# KiCad board RadCheck-SDRAM.kicad_pcb (continued)
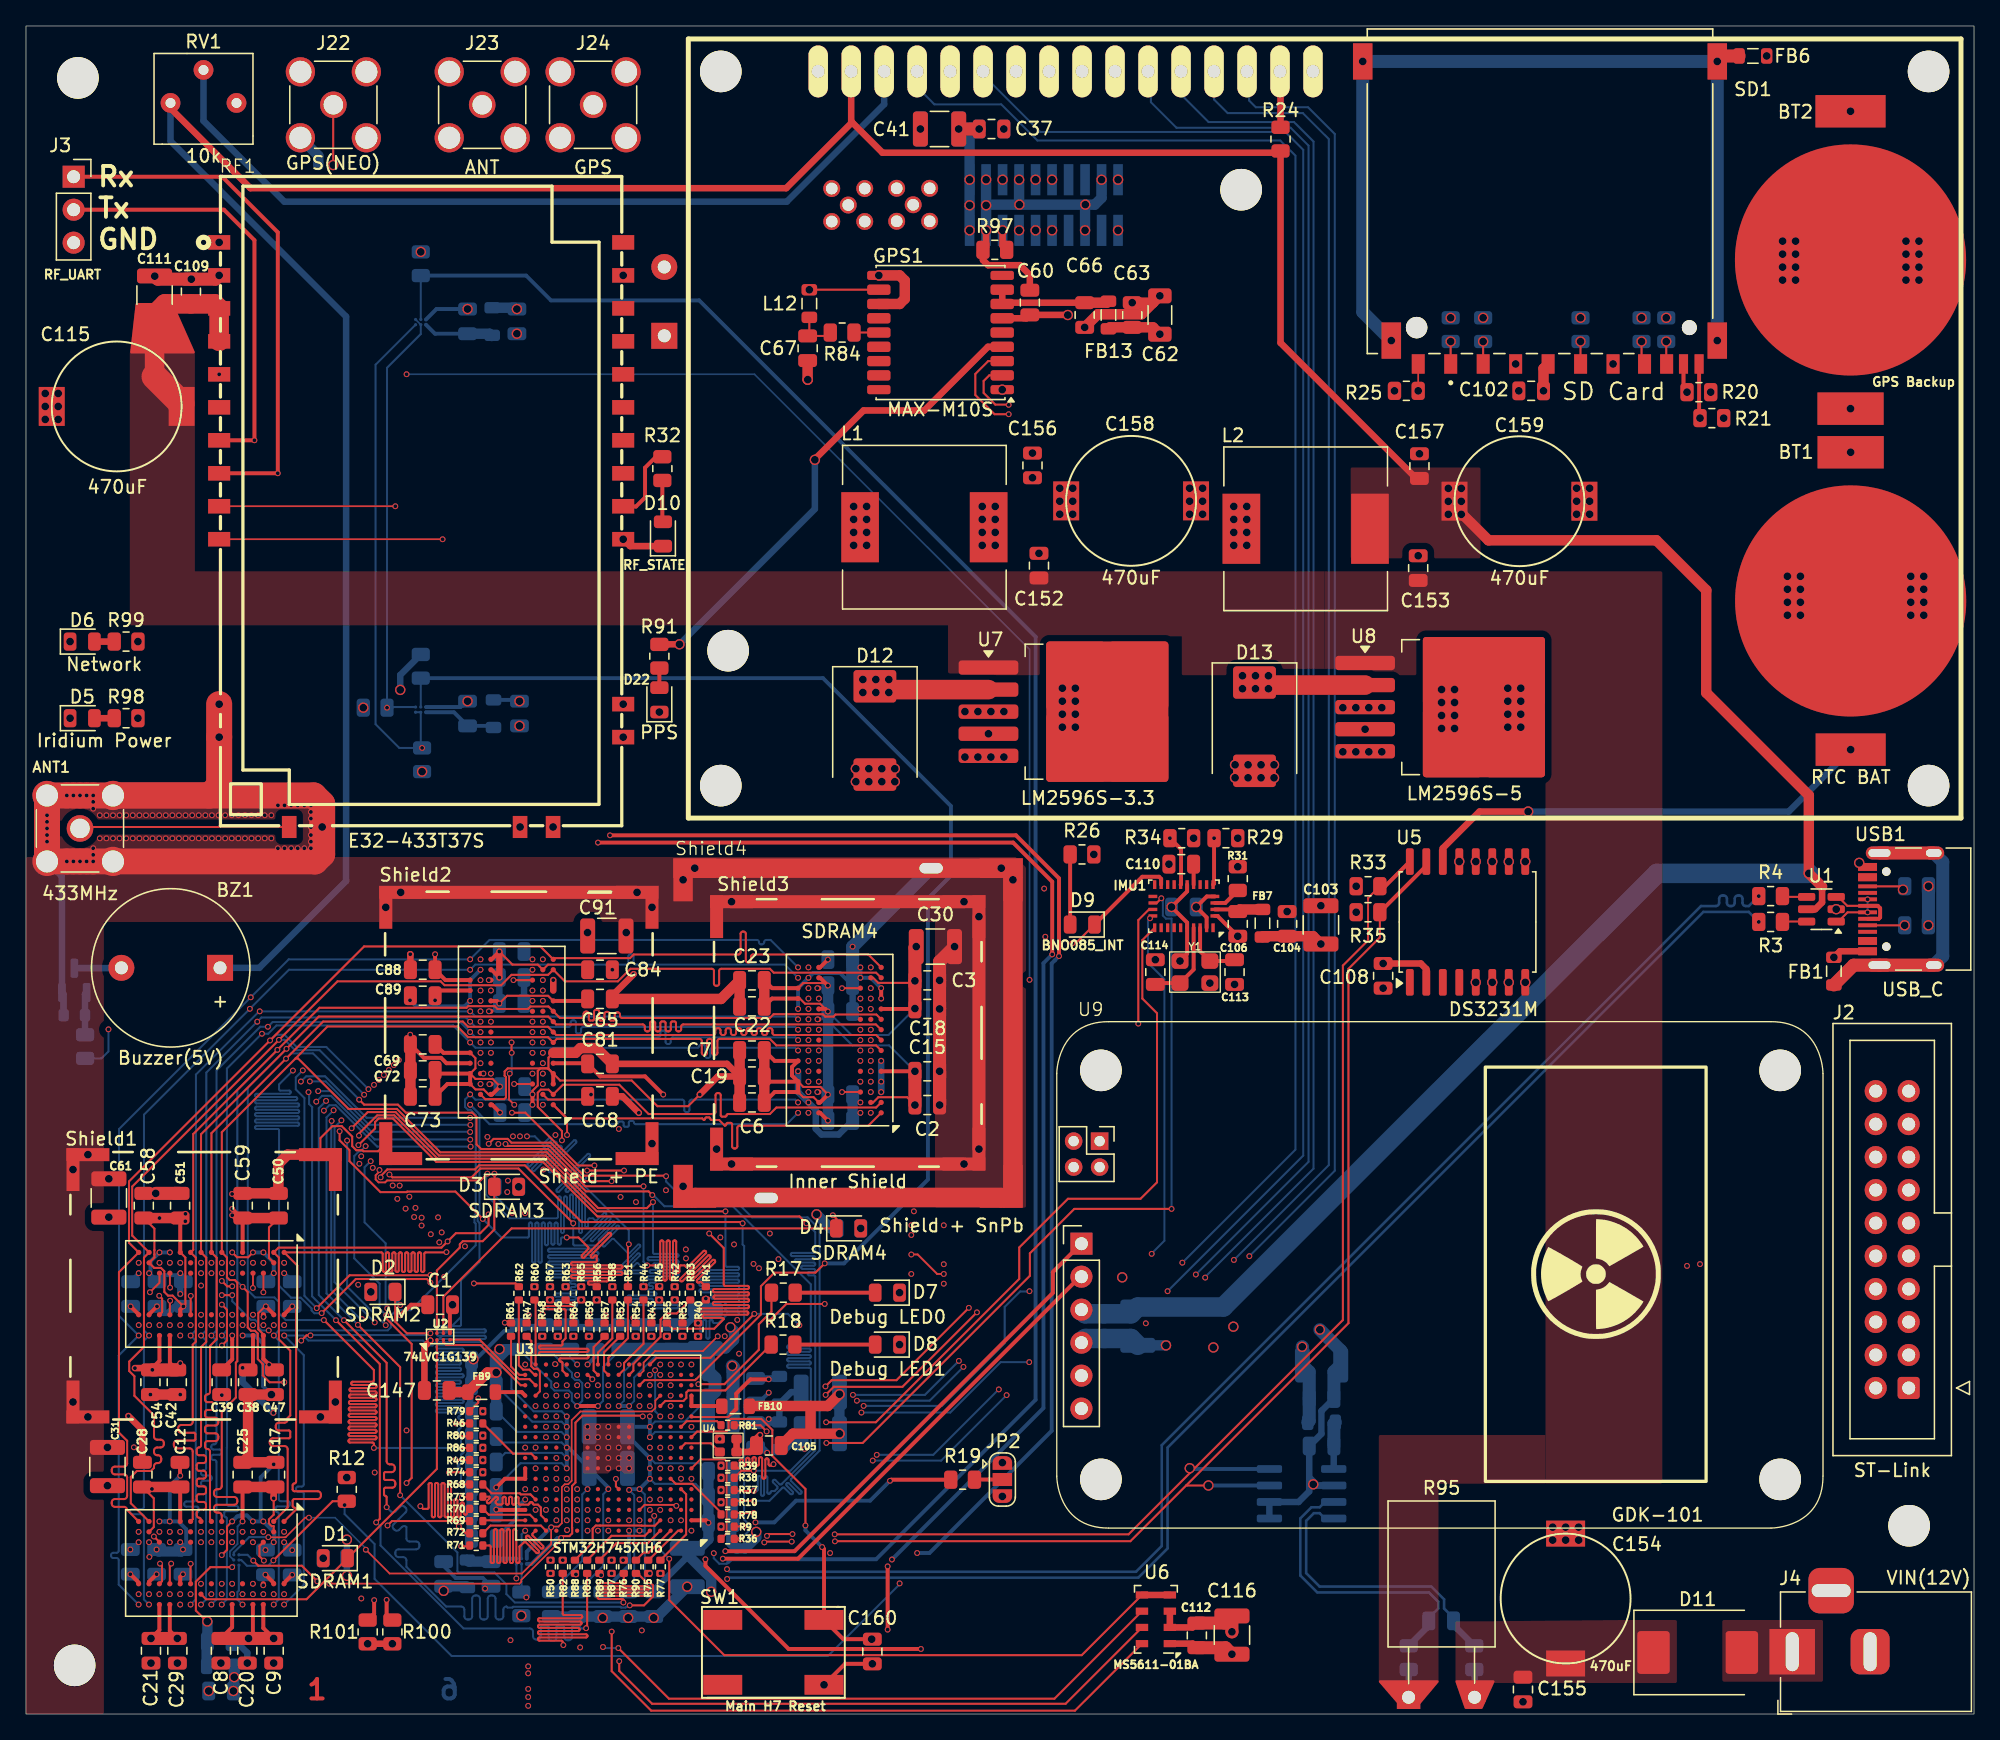
[diagram p0: board, top side]
## Routing (per net, layer and track width the routed paths; a pad name or vN(x,y) marks a point on that pad's centre or on a via; arc(x,y) is an arc through that point) (continued)
  In2.Cu w0.142: v1(54.52,36.17) 54.51,36.17 52.77,34.43 52.77,31.13 52.47,30.83 51.92,30.83 51.36,30.27 51.36,28.8 51.15,28.59 44.36,28.59 42.85,27.08 42.85,26.76 42.6,26.51 41.23,26.51 v1(40.84,26.12)
  In4.Cu w0.157: v1(54.52,36.17) 56.33,37.98 58.86,37.98 60.61,39.73 71.8,39.73 76.9,44.83 76.9,56.36 76.88,56.38 76.88,56.7 76.9,56.72 76.9,99.59 v1(75.67,100.82)
MainMCU_12MHz: length 3.4
  Top w0.157: U3.J2 50.77,20.85 52.74,20.85 U4.3
MCU_A0: length 6.9
  In3.Cu w0.142: v1(48.84,18.92) 49.25,18.51 49.25,17.93 49.47,17.71 50.24,17.71 v1(53.52,14.43)
MCU_A1: length 5
  In3.Cu w0.142: v1(53.52,16.31) 53.52,16.39 51.37,18.53 50.03,18.53 v1(49.64,18.92)
MCU_A2: length 9.2
  Top w0.142: R36.1 53.95,13.92 53.95,19.44 53.78,19.61 51.93,19.61 U3.G1
MCU_A3: length 5.7
  In3.Cu w0.142: v1(53.52,17.25) 51.44,19.33 49.23,19.33 v1(48.84,19.72)
MCU_A4: length 6.4
  In3.Cu w0.142: v1(53.52,18.19) 51.6,20.11 48.45,20.11 v1(48.04,20.52)
MCU_A5: length 5.6
  In3.Cu w0.142: v1(53.52,19.13) 51.74,20.91 49.23,20.91 v1(48.84,20.52)
MCU_A6: length 7
  In3.Cu w0.142: v1(46.44,25.32) 46.44,25.46 49.44,28.46 51.12,28.46 v1(51.75,29.09)
MCU_A7: length 9.9
  In4.Cu w0.129: v1(52.35,32) 52.35,31.55 46.82,26.02 46.82,24.9 v1(46.44,24.52)
MCU_A8: length 9.2
  In4.Cu w0.129: v1(45.64,24.52) 46.02,24.9 46.02,27.62 49.95,31.55 v1(49.95,31.89)
MCU_A9: length 5.1
  In3.Cu w0.142: v1(44.84,25.32) 44.84,25.54 48.15,28.85 v1(48.15,29.09)
MCU_A10: length 6.6
  Top w0.157: R44.1 47.55,28.53 46.05,27.03 46.05,26.53 U3.T8
MCU_A11: length 6.3
  In3.Cu w0.157: v1(48.75,31.89) 48.75,30.26 45.64,27.15 v1(45.64,26.92)
MCU_A12: length 5.2
  Top w0.157: R46.1 37.51,20.05 38.91,20.05 U3.H16
MCU_BA0: length 7.2
  In3.Cu w0.142: v1(40.84,19.72) 40.43,20.13 38.29,20.13 35.18,23.23 v1(35.18,23.32)
MCU_BA1: length 6.7
  In3.Cu w0.142: v1(40.84,18.92) 40.45,19.31 37.31,19.31 v1(35.18,21.44)
MCU_D0: length 5.3
  Top w0.157: U3.P16 39.57,24.85 39.57,26.4 39.38,26.59 39.1,26.59 38.91,26.78 38.91,28.73 R47.1
MCU_D1: length 4.8
  In3.Cu w0.142: v1(39.75,29.09) 39.65,28.99 39.65,24.91 v1(40.04,24.52)
MCU_D2: length 7.7
  In3.Cu w0.142: v1(35.18,19.56) 37.83,16.91 41.25,16.91 v1(41.64,16.52)
MCU_D3: length 6.3
  In3.Cu w0.142: v1(42.44,17.32) 42.05,16.93 42.05,13.51 v1(40.39,11.85)
MCU_D4: length 5.6
  Top w0.157: R51.1 46.35,28.94 44.84,27.43 U3.U9
MCU_D5: length 3.6
  Top w0.157: R52.1 44.51,27.85 44.51,26.45 U3.T9
MCU_D6: length 7.9
  In3.Cu w0.142: v1(50.55,29.09) 50.15,28.69 48.99,28.69 46.04,25.74 46.04,25.17 45.8,24.93 45.48,24.93 45.07,24.52 v1(44.84,24.52)
MCU_D7: length 6.2
  In4.Cu w0.129: v1(46.95,29.09) 45.22,27.36 45.22,24.1 v1(44.84,23.72)
MCU_D8: length 7.4
  In3.Cu w0.142: v1(49.35,29.09) 48.86,29.09 45.25,25.48 45.25,25.19 44.97,24.91 44.68,24.91 44.29,24.52 v1(44.04,24.52)
MCU_D9: length 6.6
  In3.Cu w0.142: v1(44.04,25.32) 44.04,31.8 v1(43.95,31.89)
MCU_D10: length 3.5
  Top w0.157: R57.1 43.71,28.25 43.71,26.45 U3.T10
MCU_D11: length 5.4
  Top w0.157: U3.U10 44.04,27.83 45.15,28.94 R58.1
MCU_D12: length 4.1
  In3.Cu w0.142: v1(43.24,25.32) 42.85,25.71 42.85,28.59 v1(43.35,29.09)
MCU_D13: length 4.9
  Top w0.157: U3.U16 39.24,31.8
MCU_D14: length 3.7
  Top w0.157: U3.T17 37.99,26.12 37.35,26.76 R61.1
MCU_D15: length 6.6
  Top w0.157: 39.16,26.12 38.76,26.52 38.28,26.52 37.95,26.85 R62.1
MCU_D16: length 25.6
  Top w0.157: U3.T13 41.31,26.45 41.31,27.04 arc(41.28,27.11) 41.21,27.14 41.16,27.14 arc(41.09,27.17) 41.06,27.24 41.06,27.29 arc(41.09,27.36) 41.16,27.39 43.21,27.39 arc(43.28,27.42) 43.31,27.49 43.31,27.54 arc(43.28,27.61) 43.21,27.64 39.61,27.64 arc(39.54,27.66) 39.51,27.73 39.51,27.78 arc(39.54,27.85) 39.61,27.88 43.21,27.88 arc(43.28,27.91) 43.31,27.98 43.31,28.03 arc(43.28,28.1) 43.21,28.13 39.61,28.13 arc(39.54,28.16) 39.51,28.23 39.51,28.28 arc(39.54,28.35) 39.61,28.37 41.21,28.37 arc(41.28,28.4) 41.31,28.47 41.31,28.7 41.55,28.94 41.55,31.08 arc(41.52,31.15) 41.45,31.18 39.95,31.18 arc(39.88,31.21) 39.85,31.28 39.85,31.33 arc(39.88,31.4) 39.95,31.42 42.15,31.42 arc(42.22,31.45) 42.25,31.52 42.25,31.57 arc(42.22,31.64) 42.15,31.67 41.65,31.67 arc(41.58,31.7) 41.55,31.77
MCU_D17: length 4
  In3.Cu w0.142: v1(42.15,29.09) 41.64,28.58 v1(41.64,25.32)
MCU_D18: length 7.8
  In3.Cu w0.142: v1(41.64,24.52) 42.03,24.91 42.03,28.42 42.75,29.14 v1(42.75,31.89)
MCU_D19: length 4.8
  In3.Cu w0.142: v1(40.95,29.09) 41.23,28.81 41.23,24.91 v1(40.84,24.52)
MCU_D20: length 25.5
  In3.Cu w0.142: v1(40.84,25.32) 40.35,25.81 40.35,27.23 arc(40.32,27.29) 40.26,27.32 39.99,27.32 arc(39.93,27.35) 39.9,27.41 39.9,27.46 arc(39.93,27.52) 39.99,27.55 40.86,27.55 arc(40.92,27.58) 40.95,27.64 40.95,27.69 arc(40.92,27.76) 40.86,27.78 39.99,27.78 arc(39.93,27.81) 39.9,27.88 39.9,27.92 arc(39.93,27.99) 39.99,28.02 40.86,28.02 arc(40.92,28.04) 40.95,28.11 40.95,28.16 arc(40.92,28.22) 40.86,28.25 39.99,28.25 arc(39.93,28.28) 39.9,28.34 39.9,28.39 arc(39.93,28.45) 39.99,28.48 40.81,28.48 arc(40.87,28.51) 40.9,28.57 40.9,28.62 arc(40.87,28.69) 40.81,28.71 40.19,28.71 arc(40.13,28.74) 40.1,28.81 40.1,28.85 arc(40.13,28.92) 40.19,28.95 40.46,28.95 arc(40.52,28.97) 40.55,29.04 40.55,29.09 arc(40.52,29.15) 40.46,29.18 40.24,29.18 arc(40.18,29.21) 40.15,29.27 40.15,29.32 arc(40.18,29.38) 40.24,29.41 40.66,29.41 arc(40.72,29.44) 40.75,29.5 40.75,29.55 arc(40.72,29.62) 40.66,29.64 38.44,29.64 arc(38.38,29.67) 38.35,29.74 38.35,29.78 arc(38.38,29.85) 38.44,29.88 42.26,29.88 arc(42.32,29.9) 42.35,29.97 42.35,30.02 arc(42.32,30.08) 42.26,30.11 38.79,30.11 arc(38.73,30.14) 38.7,30.2 38.7,30.25 arc(38.73,30.31) 38.79,30.34 40.26,30.34 arc(40.32,30.37) 40.35,30.43 40.35,30.48 arc(40.32,30.55) 40.26,30.57 40.24,30.57 arc(40.18,30.6) 40.15,30.67 40.15,30.71 arc(40.18,30.78) 40.24,30.81 40.26,30.81 arc(40.32,30.83) 40.35,30.9 v1(40.35,31.89)
MCU_D21: length 4.5
  Top w0.157: R68.1 35.86,17 38.02,17 38.11,16.91 38.85,16.91 U3.D16
MCU_D22: length 3.2
  Top w0.157: U3.B17 35.24,14.92
MCU_D23: length 4.4
  Top w0.157: R70.1 35.63,15.35 38.81,15.35 U3.B16
MCU_D24: length 32.5
  Top w0.157: U3.A16 39.01,13.89 arc(38.98,13.82) 39.01,13.75 39.83,12.94 arc(39.85,12.87) 39.83,12.8 39.79,12.76 arc(39.72,12.73) 39.65,12.76 38.69,13.72 arc(38.63,13.75) 38.56,13.72 38.52,13.68 arc(38.49,13.61) 38.52,13.54 39.48,12.59 arc(39.51,12.52) 39.48,12.45 39.44,12.41 arc(39.37,12.38) 39.3,12.41 38.49,13.23 arc(38.42,13.26) 38.35,13.23 38.1,12.98 arc(38.03,12.95) 38,12.88 38,11.73 arc(37.97,11.66) 37.9,11.63 37.85,11.63 arc(37.78,11.66) 37.75,11.73 37.75,14.13 arc(37.73,14.2) 37.66,14.23 37.61,14.23 arc(37.54,14.2) 37.51,14.13 37.51,11.73 arc(37.48,11.66) 37.41,11.63 37.36,11.63 arc(37.29,11.66) 37.26,11.73 37.26,14.13 arc(37.23,14.2) 37.16,14.23 37.11,14.23 arc(37.04,14.2) 37.02,14.13 37.02,11.73 arc(36.99,11.66) 36.92,11.63 36.87,11.63 arc(36.8,11.66) 36.77,11.73 36.77,14.13 arc(36.74,14.2) 36.67,14.23 36.62,14.23 arc(36.55,14.2) 36.52,14.13 36.52,11.73 arc(36.49,11.66) 36.42,11.63 36.37,11.63 arc(36.3,11.66) 36.28,11.73 36.28,14.13 arc(36.25,14.2) 36.18,14.23 36.13,14.23 arc(36.06,14.2) 36.03,14.13 36.03,11.73 arc(36,11.66) 35.93,11.63 35.88,11.63 arc(35.81,11.66) 35.78,11.73 35.78,12.88 arc(35.75,12.95) 35.68,12.98 35.31,12.98
MCU_D25: length 5.3
  Top w0.157: R72.1 35.77,14.51 39.65,14.51 U3.A15
MCU_D26: length 10.6
  Top w0.157: 35.34,16.74 35.69,16.74 arc(35.72,16.67) 35.69,16.6 35.51,16.42 arc(35.48,16.35) 35.51,16.28 35.55,16.25 arc(35.62,16.22) 35.69,16.25 36.15,16.71 arc(36.22,16.74) 36.29,16.71 36.32,16.67 arc(36.35,16.6) 36.32,16.53 36.18,16.39 arc(36.15,16.32) 36.18,16.25 36.3,16.13 36.6,16.13 arc(36.67,16.16) 36.7,16.23 36.7,16.63 arc(36.73,16.7) 36.8,16.73 36.85,16.73 arc(36.92,16.7) 36.94,16.63 36.94,16.23 arc(36.97,16.16) 37.04,16.13 37.09,16.13 arc(37.16,16.16) 37.19,16.23 37.19,16.63 arc(37.22,16.7) 37.29,16.73 37.34,16.73 arc(37.41,16.7) 37.44,16.63 37.44,16.23 arc(37.47,16.16) 37.54,16.13 37.59,16.13 arc(37.66,16.16) 37.68,16.23 37.68,16.63 arc(37.71,16.7) 37.78,16.73 37.83,16.73 arc(37.9,16.7) 37.93,16.63 37.93,16.23 arc(37.96,16.16) 38.03,16.13 38.67,16.13 arc(38.74,16.16) 38.77,16.23 38.77,16.23 arc(38.8,16.3) 38.87,16.33 38.92,16.33 arc(38.99,16.3) 39.02,16.23 39.02,16.23 arc(39.05,16.16) 39.12,16.13 39.42,16.13 39.65,15.9 39.65,15.31 U3.B15
MCU_D27: length 7.2
  In3.Cu w0.142: v1(40.84,15.72) 40.45,15.33 38.87,15.33 35.59,18.62 v1(35.18,18.62)
MCU_D28: length 3.4
  Top w0.157: 47.94,11.85 50.21,14.12 U3.A2
MCU_D29: length 4.9
  In3.Cu w0.142: v1(49.64,14.92) 46.57,11.85 v1(45.97,11.85)
MCU_D30: length 6.5
  Top w0.157: R77.1 50.83,13.83 50.83,16.93 U3.E2
MCU_D31: length 5
  Top w0.157: 53.52,15.51 51.3,17.73 50.03,17.73 U3.F3
MCU_NBL0: length 5.7
  In3.Cu w0.142: v1(45.09,11.85) 45.48,12.24 45.9,12.24 48.84,15.17 v1(48.84,15.72)
MCU_NBL1: length 8.5
  Top w0.157: R88.1 43.63,13.21 43.63,14.25 43.65,14.27 43.65,14.28 43.88,14.51 44.2,14.51 47.4,14.51 47.42,14.5 48.42,14.5 U3.B4
MCU_NBL2: length 5.6
  Top w0.157: R89.1 45.46,13.16 47.88,13.16 U3.A4
MCU_NBL3: length 3.6
  Top w0.157: U3.A3 47.95,12.43 47.55,12.43 R90.1
MCU_SDCKE1: length 5.8
  Top w0.157: U3.A5 47.65,13.73 45.09,13.73 R85.1
MCU_SDCLK: length 5.9
  In3.Cu w0.142: v1(35.18,20.5) 35.18,20.48 37.54,18.12 v1(40.04,18.12)
MCU_SDNCAS: length 8.6
  In3.Cu w0.142: v1(47.24,16.52) 46.83,16.11 46.83,15.56 46.6,15.33 46.05,15.33 45.25,14.53 45.25,13.79 43.31,11.85 v1(41.33,11.85)
MCU_SDNRAS: length 8.2
  Top w0.157: R83.1 50.11,30.85 49.34,30.85 48.86,30.37 48.86,29.05 46.77,26.96 46.77,26.45 U3.T7
MCU_SDNWE: length 3.4
  Top w0.157: R81.1 53.21,22.55 50.87,22.55 U3.L2
MCU_TEMP_INT: length 54.9
  Top w0.157: U3.U5 48.55,27.43 52.69,27.43 v1(56.08,30.82)
  In3.Cu w0.157: v1(59.55,29.94) 59.55,14.97 52.56,7.98 39.53,7.98 v1(38.53,8.98)
  Bottom w0.157: Temp1.B1 38.16,9.42 ; v1(56.08,30.82) 58.67,30.82 v1(59.55,29.94)
RF_M0: length 133.8
  Top w0.129: RF1.10 32.08,90.47 v1(32.08,90.47)
  In3.Cu w0.129: v1(47.24,24.52) 47.62,24.9 48.21,24.9 48.46,25.15 48.46,25.48 48.68,25.7 50.61,25.7 53.8,28.9 v1(53.8,29.1) ; v1(57.28,37.01) 61.94,37.01 62.98,38.05 62.98,39.05 63.79,39.86 65.21,39.86 71.85,46.5 71.85,54.65 77.47,60.27 77.47,67.97 74.73,70.71 72.83,70.71 66.34,77.2 54.19,77.2 40.92,90.47 v1(32.08,90.47)
  In4.Cu w0.129: v1(57.28,37.01) 57.28,31.03 55.35,29.1 v1(53.8,29.1)
RF_M1: length 132.3
  Top w0.129: v1(53.26,29.09) 52.12,27.95 48.44,27.95 47.56,27.07 47.56,26.44 U3.T6 ; v1(28.44,93.01) RF1.9
  In3.Cu w0.129: v1(28.44,93.01) 31.56,89.89 40.4,89.89 53.68,76.61 66.25,76.61 72.57,70.29 74.56,70.29 77.16,67.69 77.16,60.39 71.63,54.86 71.63,46.66 65.15,40.18 63.8,40.18 62.64,39.02 62.64,38.39 61.66,37.41 57.15,37.41 56.02,36.28 v1(56.02,34.67)
  In4.Cu w0.129: v1(56.02,34.67) 53.26,31.91 v1(53.26,29.09)
RF_RST: length 150.5
  In3.Cu w0.129: v1(47.24,23.72) 47.66,24.14 48.2,24.14 48.46,24.4 48.46,24.68 48.68,24.9 50.7,24.9 53.55,27.75 v1(54.91,27.75) ; v1(29.31,103.18) 29.3,103.17 v1(14.88,103.17) ; v1(77.27,56.54) 75,54.27 75,42.54 71.17,38.71 v1(68.37,38.71)
  In4.Cu w0.129: v1(54.91,27.75) 56.26,27.75 59.13,30.62 59.13,35.95 61.97,38.79 68.29,38.79 v1(68.37,38.71)
  Bottom w0.129: v1(77.27,56.54) 77.27,81.99 56.09,103.18 v1(29.31,103.18)
RF_Rx: length 199.9
  Top w0.3: v1(44.05,67.11) 76.01,67.11 79.02,64.1 v1(79.02,58.5) ; RF1.8 v1(19.39,95.55) 19.39,114.11 15.11,118.39 J3.1
  In1.Cu w0.157: v1(43.24,14.12) 44.34,13.02 55.55,13.02 56.67,11.9 v1(66.68,11.9)
  In3.Cu w0.3: v1(19.39,95.55) 24.15,95.55 43.61,76.09 43.61,67.55 v1(44.05,67.11)
  Bottom w0.3: v1(66.68,11.9) 78.34,23.56 78.34,57.82 v1(79.02,58.5)
RF_State: length 5.4
  Top w0.3: 48.52,96.82 47.67,95.98 47.67,93.69 46.97,92.99 46.01,92.99
RF_TEMP0_INT: length 106.7
  Top w0.157: U3.R6 47.63,25.71 51.53,25.71 51.61,25.8 51.62,25.8 56.59,30.77 56.59,32.95 57.63,33.99 60.79,33.99 v1(61.5,34.71)
  Bottom w0.157: Temp3.B1 R15.2
  Bottom w0.3: R15.2 61.37,79.77 71.22,69.92 71.22,64.57 69.45,62.8 69.45,41.16 62.99,34.71 v1(61.5,34.71)
RF_TEMP1_INT: length 159.5
  Top w0.142: U3.C6 47.63,16.11 50.01,16.11 v1(50.08,16.03)
  In3.Cu w0.142: v1(50.08,16.03) 50.08,15.84 52.96,12.96 v1(52.96,12.39)
  Bottom w0.157: v1(52.96,12.39) 52.96,12 53.39,11.57 53.95,11.57 54.07,11.69 ; Temp4.B1 R16.2
  Bottom w0.3: 54.07,11.69 54.3,11.92 65.46,11.92 77.74,24.2 77.74,82.97 51.84,108.86 40.42,108.86 38.52,110.78 R16.2
RF_Tx: length 197.6
  Top w0.3: v1(44.97,67.67) 76.23,67.67 79.54,64.36 v1(79.54,58.37) ; J3.2 15.24,115.85 17.59,113.5 v1(17.59,98.09) RF1.7
  In1.Cu w0.129: v1(43.24,14.92) 43.66,14.5 52.24,14.5 52.89,13.85 55.62,13.85 57.07,12.4 v1(61.91,12.4)
  In3.Cu w0.3: v1(61.91,12.4) v1(68.62,12.4) ; v1(17.59,98.09) 22.6,98.09 44.08,76.61 44.08,67.8 44.21,67.67 v1(44.97,67.67)
  Bottom w0.3: v1(68.62,12.4) 69.57,12.4 78.98,21.81 78.98,57.81 79.21,58.03 79.21,58.03 79.49,58.31 79.49,58.31 v1(79.54,58.37)
RS: length 163.4
  Top w0.157: v1(72.6,31.28) 67.03,25.71 62.04,25.71 v1(61.56,25.23)
  In1.Cu w0.157: v1(50.44,26.92) 51.56,25.8 52.31,25.8 52.87,25.24 61.55,25.24 v1(61.56,25.23)
  In4.Cu w0.157: v1(72.6,31.28) 76.02,34.7 88.98,34.7 v1(89.04,34.76)
  Bottom w0.157: 68.62,125.29 69.94,123.97 75.09,123.97 77.88,121.18 96.58,121.18 97.75,120.01 97.75,43.47 v1(89.04,34.76)
RTC_SCL: length 106.7
  Top w0.157: 89.66,18.6 101.4,30.34 101.4,57.64 103.34,59.58 103.34,62.84 R33.2 ; 89.66,18.6 89.79,18.73 89.79,18.75 v2(89.61,18.93) ; 89.66,18.6 84.9,13.84 v1(62.27,13.84) ; v1(59.02,13.86) 57.2,13.86 v1(57.06,13.72)
  Top w0.3: R33.2 104.66,63.75 U5.16
  In3.Cu w0.157: v1(57.06,13.72) 56.73,13.72 56.47,13.46 56,13.46 55.57,13.88 52.82,13.88 50.72,15.98 50.72,16.39 49.95,17.16 48.68,17.16 v1(48.04,16.52) ; v1(59.02,13.86) 59.04,13.84 v1(62.27,13.84)
  Bottom w0.3: v2(89.61,18.93) 89.67,18.87 U10.4
RTC_SDA: length 106.2
  Top w0.157: v2(91.05,17.6) 89.4,17.6 89.36,17.63 ; 89.36,17.63 85.04,13.31 62.3,13.31 v1(62.29,13.3) ; 89.36,17.63 101.83,30.1 101.83,57.39 104.25,59.81 R35.2 ; v1(58.96,13.28) 56.91,13.28 v1(56.85,13.22)
  Top w0.3: 107.83,65.32 R35.2
  In3.Cu w0.157: v1(58.96,13.28) 58.98,13.3 v1(62.29,13.3) ; v1(48.84,16.52) 49.23,16.91 49.8,16.91 50.47,16.24 50.47,15.82 53.22,13.07 56.7,13.07 v1(56.85,13.22)
  Bottom w0.3: U10.3 v2(91.05,17.6)
SBD_CTS: length 126.6
  Top w0.142: v1(70.67,33.89) 70.16,33.89 68.66,35.39 v1(68.17,35.39)
  In2.Cu w0.142: v1(41.64,23.72) 42.03,24.11 44.99,24.11 45.25,24.37 45.25,24.69 45.48,24.93 45.8,24.93 46.03,25.16 46.03,25.48 48.36,27.81 53.13,27.81 55.15,29.83 57.5,29.83 63.06,35.39 v1(68.17,35.39)
  In3.Cu w0.157: v2(79.01,114.26) 79.01,106.77 84.27,101.51 84.27,54.49 78.84,49.06 78.84,35.93 76.8,33.89 v1(70.67,33.89)
SBD_DCD: length 127.3
  In2.Cu w0.157: v1(40.04,23.72) 40.43,23.33 41,23.33 41.25,23.08 41.25,22.76 41.48,22.53 41.84,22.53 42.38,23.07 45.56,23.07 46.05,23.56 46.05,23.88 46.28,24.11 46.6,24.11 46.85,24.36 46.85,24.68 47.89,25.73 49.01,25.73 49.25,25.96 49.25,26.28 49.48,26.51 52.64,26.51 55.41,29.28 57.8,29.28 62.41,33.89 v1(68.17,33.89)
  In3.Cu w0.157: v2(77.74,114.26) 77.87,114.13 77.87,106.22 83.48,100.61 83.48,54.74 78.16,49.42 78.16,36.88 76.67,35.39 70.17,35.39 68.67,33.89 v1(68.17,33.89)
SBD_DSR: length 130.5
  In2.Cu w0.157: v1(40.84,23.72) 41.08,23.72 41.47,23.33 45,23.33 45.23,23.56 45.23,23.87 45.49,24.13 45.8,24.13 46.05,24.37 46.05,24.68 46.29,24.93 46.6,24.93 46.92,25.24 46.92,25.88 48.55,27.51 53.24,27.51 55.27,29.54 57.64,29.54 62.74,34.64 v1(70.67,34.64)
  In3.Cu w0.157: v1(70.67,34.64) 76.72,34.64 78.53,36.45 78.53,49.21 83.9,54.58 83.9,100.93 78.42,106.41 78.42,117.49 77.75,118.16 v2(77.74,118.16)
SBD_EN: length 129.5
  Top w0.5: R97.2 75.2,113.07 v2(75.2,114.26)
  In2.Cu w0.157: v1(42.44,25.32) 45.43,28.31 51.53,28.31 53.06,29.84 53.06,34.15 55,36.09 67.37,36.09 v1(68.17,36.89)
  In3.Cu w0.142: v1(68.17,36.89) 68.49,36.57 70.24,36.57 70.67,36.14 76.6,36.14 77.65,37.19 77.65,49.68 82.98,55.01 82.98,100.25 77.12,106.11 77.12,114.69 76.65,115.16 76.1,115.16 v2(75.2,114.26)
SBD_PowerIndicator: length 245.7
  Top w0.3: v1(27.77,8.79) 27.77,7.67 R100.2
  In2.Cu w0.157: v1(27.77,8.79) 27.77,10.01 31.1,13.34 35.01,13.34 36.62,14.95 36.63,14.95 37.08,15.4 37.08,15.95 38.04,16.91 38.59,16.91 38.83,17.16 38.83,17.56 40.4,19.13 40.4,20.05 40.84,20.49 v1(40.84,21.32)
  In3.Cu w0.157: v1(27.77,8.79) 27.77,8.78 23.64,4.65 6.19,4.65 0.89,9.95 0.89,48.59 18.15,65.85 24.29,65.85 25.8,67.36 25.8,73.83 22.94,76.69 v2(8.62,76.69)
  In4.Cu w0.3: v2(8.62,76.69) 8.98,76.69 26.65,94.36 65.49,94.36 85.05,113.92 85.05,117.2 v2(84.09,118.16)
SBD_Ring: length 132.8
  In2.Cu w0.157: v1(70.67,33.14) 62.06,33.14 57.89,28.97 55.5,28.97 52.73,26.2 50.53,26.2 50.07,25.74 50.07,25.19 49.8,24.93 48.21,24.93 47.41,24.13 47.09,24.13 46.85,23.88 46.85,23.56 46.1,22.81 42.59,22.81 42.16,22.38 42.16,22.08 41.8,21.73 41.48,21.73 41.25,21.96 41.25,22.27 40.84,22.68 v1(40.84,22.92)
  In3.Cu w0.157: v1(70.67,33.14) 76.73,33.14 79.12,35.53 79.12,48.73 84.68,54.29 84.68,101.99 79.65,107.02 79.65,117.52 v2(79.01,118.16)
SBD_Rx: length 127.2
  In2.Cu w0.157: v1(43.24,24.52) 43.48,24.52 43.87,24.91 44.19,24.91 44.45,25.17 44.45,26.28 46.22,28.06 51.64,28.06 53.34,29.76 53.34,34.04 55.12,35.82 68.85,35.82 v1(70.67,37.64)
  In3.Cu w0.142: v2(75.2,118.16) 75.2,116.47 74.54,115.81 74.54,106.08 81.36,99.26 81.36,55.05 76.51,50.2 76.51,38.07 76.08,37.64 v1(70.67,37.64)
SBD_Satellite_Network: length 241.5
  Top w0.3: R101.2 26.81,7.73 v1(26.81,8.77)
  In2.Cu w0.157: v1(26.81,8.77) 26.81,9.61 30.9,13.7 34.9,13.7 36.71,15.51 36.71,16.15 38.28,17.71 38.62,17.71 39.96,19.05 39.96,20.32 40.45,20.81 40.45,21.73 v1(40.84,22.12)
  In3.Cu w0.157: v2(8.62,82.59) 19.15,82.59 26.46,75.28 26.46,67.06 24.79,65.39 18.24,65.39 1.28,48.43 1.28,10.36 6.73,4.91 22.95,4.91 v1(26.81,8.77)
  In4.Cu w0.3: v2(8.62,82.59) 13.7,82.59 26.22,95.11 64.94,95.11 v2(84.09,114.26)
SBD_Tx: length 124
  In2.Cu w0.157: v1(68.17,37.64) 68.17,37.63 67.15,36.61 54.31,36.61 53.48,35.78 v1(50.81,35.78)
  In3.Cu w0.142: v1(68.17,37.64) 68.52,37.29 70.27,37.29 70.67,36.89 76.29,36.89 77.12,37.72 77.12,50 81.66,54.54 81.66,100.61 76.47,105.8 v2(76.47,114.26)
  In3.Cu w0.157: v1(50.81,35.78) 50.56,35.78 47.94,33.16 47.94,32.41 44.43,28.9 44.43,25.16 44.19,24.91 42.83,24.91 v1(42.44,24.52)
SDIO_CLK: length 203.1
  Top w0.157: v2(119.7,105.7) 119.7,103.97
  In2.Cu w0.142: v1(42.44,15.72) 42.23,15.72 41.82,15.31 41.48,15.31 41.23,15.05 41.23,14.62 39.66,13.05 37.82,13.05 37.8,13.03 37.78,13.03 36.32,11.57 36.32,3.62 38.01,1.93 v1(38.67,1.93)
  In3.Cu w0.142: v2(119.7,105.7) 119.7,103.44 120.76,102.38 arc(120.93,102.31) 121.1,102.38 121.35,102.64 arc(121.52,102.71) 121.69,102.64 121.77,102.55 arc(121.84,102.38) 121.77,102.21 120.93,101.37 arc(120.86,101.2) 120.93,101.03 121.01,100.94 arc(121.18,100.87) 121.35,100.94 122.2,101.79 arc(122.37,101.86) 122.54,101.79 122.62,101.7 arc(122.69,101.53) 122.62,101.36 121.78,100.52 arc(121.71,100.35) 121.78,100.18 121.86,100.09 arc(122.03,100.02) 122.2,100.09 122.45,100.35 arc(122.62,100.42) 122.79,100.35 124.26,98.88 124.26,33.84 118.51,28.09 104.59,28.09 95.33,18.83 95.33,11.92 91.43,8.02 64.33,8.02 58.24,1.93 v1(38.67,1.93)
SDIO_CMD: length 203.1
  Top w0.157: v2(112.2,105.7) 112.2,103.97
  In2.Cu w0.142: v1(42.44,16.52) 42.83,16.13 42.83,15.56 42.57,15.31 42.28,15.31 42.05,15.08 42.05,13.26 41.08,12.29 38.35,12.29 37.31,11.25 v1(37.31,5.69)
  In3.Cu w0.142: v1(37.31,5.69) 37.31,3.33 38.08,2.56 58.01,2.56 64.06,8.61 91.06,8.61 94.57,12.12 94.57,19.75 104.18,29.36 118.27,29.36 123.67,34.76 123.67,96.81 120.33,100.15 113.88,100.15 112.2,101.83 v2(112.2,105.7)
SDIO_D0: length 202.9
  Top w0.157: v2(124.4,105.7) 124.4,104.2
  In2.Cu w0.142: v1(38.67,1.31) 37.88,1.31 36.09,3.1 36.09,11.67 37.71,13.3 37.72,13.29 37.73,13.29 38.66,13.29 40.68,15.31 41,15.31 41.23,15.53 41.23,16.91 v1(41.64,17.32)
  In3.Cu w0.142: v1(38.67,1.31) 58.38,1.31 64.58,7.51 92,7.51 96.25,11.76 96.25,18.03 104.81,26.59 118.63,26.59 125.15,33.11 125.15,100.47 arc(125.08,100.64) 124.91,100.71 124.46,100.71 arc(124.29,100.78) 124.22,100.95 124.22,101.07 arc(124.29,101.24) 124.46,101.31 125.74,101.31 arc(125.91,101.38) 125.98,101.55 125.98,101.67 arc(125.91,101.84) 125.74,101.91 124.46,101.91 arc(124.29,101.98) 124.22,102.15 124.22,102.27 arc(124.29,102.44) 124.46,102.51 124.91,102.51 arc(125.08,102.58) 125.15,102.75 125.15,104.95 v2(124.4,105.7)
SDIO_D1: length 203.1
  Top w0.157: v2(126.3,105.7) 126.3,104
  In2.Cu w0.142: v1(38.67,0.63) 37.97,0.63 35.81,2.79 35.81,11.78 37.61,13.58 38.45,13.58 40.45,15.58 40.45,16.93 v1(40.84,17.32)
  In3.Cu w0.142: v2(126.3,105.7) 126.3,104.72 arc(126.37,104.55) 126.54,104.48 127,104.48 arc(127.17,104.41) 127.24,104.24 127.24,104.12 arc(127.17,103.95) 127,103.88 125.7,103.88 arc(125.53,103.81) 125.46,103.64 125.46,103.52 arc(125.53,103.35) 125.7,103.28 126.06,103.28 arc(126.23,103.21) 126.3,103.04 126.3,32.3 118.75,24.75 104.7,24.75 97.28,17.33 97.28,11.54 92.67,6.93 64.86,6.93 58.56,0.63 v1(38.67,0.63)
SDIO_D2: length 203.8
  Top w0.127: SD1.9 107.2,101.91
  In2.Cu w0.142: v1(38.67,3.67) 38.67,3.67 38.12,3.67 36.9,4.89 36.9,11.31 38.13,12.54 40.94,12.54 41.66,13.26 v1(41.66,14.18)
  In3.Cu w0.142: v2(107.2,101.9) 107.21,101.9 108.12,100.99 arc(108.19,100.82) 108.12,100.65 107.76,100.28 arc(107.69,100.11) 107.76,99.94 107.84,99.85 arc(108.01,99.78) 108.18,99.85 109.26,100.93 arc(109.43,101) 109.59,100.93 109.68,100.84 arc(109.75,100.67) 109.68,100.51 108.6,99.43 arc(108.53,99.26) 108.6,99.09 108.69,99.01 arc(108.86,98.94) 109.03,99.01 109.4,99.37 arc(109.57,99.44) 109.74,99.37 110.35,98.76 111.8,98.76 arc(111.97,98.69) 112.04,98.52 112.04,98 arc(112.11,97.83) 112.28,97.76 112.4,97.76 arc(112.57,97.83) 112.64,98 112.64,98.98 arc(112.71,99.14) 112.87,99.21 113.02,99.21 arc(113.18,99.14) 113.24,98.98 arc(113.31,98.83) 113.47,98.76 119.02,98.76 122.25,95.53 122.25,36.18 117.78,31.71 103.58,31.71 92.89,21.02 92.89,12.53 90.02,9.66 63.47,9.66 57.46,3.65 38.69,3.65 v1(38.67,3.67)
SDIO_D3: length 203.1
  Top w0.157: v2(109.7,105.7) 109.7,103.97
  In2.Cu w0.142: v1(41.64,14.92) 41.64,14.7 40.63,13.69 39.76,12.82 37.92,12.82 36.59,11.49 36.59,4.5 37.96,3.13 v1(38.67,3.13)
  In3.Cu w0.142: v2(109.7,105.7) 109.7,102.84 109.98,102.56 arc(110.05,102.39) 109.98,102.22 109.67,101.91 arc(109.6,101.74) 109.67,101.57 109.76,101.48 arc(109.93,101.41) 110.1,101.48 111.06,102.44 arc(111.23,102.51) 111.39,102.44 111.48,102.36 arc(111.55,102.19) 111.48,102.02 111.17,101.71 arc(111.1,101.54) 111.17,101.37 113.06,99.48 119.72,99.48 122.98,96.22 122.98,35.45 117.8,30.27 103.68,30.27 93.78,20.37 93.78,12.31 90.6,9.13 63.76,9.13 57.76,3.13 v1(38.67,3.13)
SDIO_INT: length 165.1
  Top w0.3: SD1.CD_IND 127.63,102.07
  In3.Cu w0.157: v1(127.9,34.51) v2(127.9,101.8)
  In4.Cu w0.157: v1(40.84,18.12) 41.23,18.51 41.23,20.67 41.49,20.93 51.53,20.93 51.95,20.51 59.3,20.51 59.85,19.96 v1(65.51,19.96) ; v1(127.9,34.51) 118.39,25 v1(74.91,25)
  Bottom w0.157: v1(65.51,19.96) 69.86,19.96 74.9,25 v1(74.91,25)
SDIO_WP: length 164.6
  Top w0.3: SD1.WP 128.83,99.87
  In3.Cu w0.157: v1(128.9,34.65) v2(128.9,99.8)
  In4.Cu w0.157: v1(65.2,19.52) 65.08,19.63 50.28,19.63 49.79,20.13 42.38,20.13 42.03,19.78 42.03,18.51 v1(41.64,18.12) ; v1(75.51,24.56) 118.81,24.56 v1(128.9,34.65)
  Bottom w0.157: v1(75.51,24.56) 70.47,19.52 v1(65.2,19.52)
SDRAM_A0: length 170.2
  Top w0.157: v1(55.27,14.45) 54.56,14.45
  In3.Cu w0.129: v1(29.89,38.27) 30.58,38.97 46.56,38.97 46.72,38.82 48.56,38.82 55.29,32.09 55.29,22.61 arc(55.26,22.55) 55.2,22.52 53.49,22.52 arc(53.42,22.5) 53.4,22.44 53.4,22.39 arc(53.42,22.33) 53.49,22.3 55.2,22.3 arc(55.26,22.28) 55.29,22.22 55.29,22.17 arc(55.26,22.11) 55.2,22.08 53.49,22.08 arc(53.42,22.06) 53.4,22 53.4,21.95 arc(53.42,21.89) 53.49,21.87 55.99,21.87 arc(56.06,21.84) 56.08,21.78 56.08,21.73 arc(56.06,21.67) 55.99,21.65 55.38,21.65 arc(55.32,21.62) 55.29,21.56 55.29,17.77 arc(55.26,17.71) 55.2,17.68 53.89,17.68 arc(53.82,17.66) 53.8,17.6 53.8,17.55 arc(53.82,17.49) 53.89,17.46 55.54,17.46 arc(55.61,17.44) 55.63,17.38 55.63,17.33 arc(55.61,17.27) 55.54,17.24 54.04,17.24 arc(53.97,17.22) 53.95,17.16 53.95,17.11 arc(53.97,17.05) 54.04,17.02 55.59,17.02 arc(55.66,17) 55.68,16.94 55.68,16.89 arc(55.66,16.83) 55.59,16.81 53.84,16.81 arc(53.77,16.78) 53.75,16.72 53.75,16.67 arc(53.77,16.61) 53.84,16.59 55.54,16.59 arc(55.61,16.56) 55.63,16.5 55.63,16.45 arc(55.61,16.39) 55.54,16.37 54.04,16.37 arc(53.97,16.34) 53.95,16.28 53.95,16.24 arc(53.97,16.17) 54.04,16.15 55.69,16.15 arc(55.76,16.12) 55.78,16.06 55.78,16.02 arc(55.76,15.95) 55.69,15.93 53.39,15.93 arc(53.32,15.9) 53.3,15.84 53.3,15.8 arc(53.32,15.73) 53.39,15.71 55.54,15.71 arc(55.61,15.68) 55.63,15.62 55.63,15.58 arc(55.61,15.52) 55.54,15.49 53.39,15.49 arc(53.32,15.46) 53.3,15.4 53.3,15.36 arc(53.32,15.3) 53.39,15.27 55.64,15.27 arc(55.71,15.24) 55.73,15.18 55.73,15.14 arc(55.71,15.08) 55.64,15.05 53.49,15.05 arc(53.42,15.03) 53.4,14.96 53.4,14.92 arc(53.42,14.86) 53.49,14.83 55.2,14.83 arc(55.26,14.81) 55.29,14.74 55.29,14.47 v1(55.27,14.45)
  In4.Cu w0.129: v1(15.07,9.23) 14.69,9.61 14.69,16.94 arc(14.65,17.05) 14.53,17.1 14.41,17.1 arc(14.3,17.15) 14.25,17.26 14.25,17.34 arc(14.3,17.45) 14.41,17.5 14.98,17.5 arc(15.09,17.55) 15.14,17.66 15.14,17.74 arc(15.09,17.85) 14.98,17.9 14.41,17.9 arc(14.3,17.95) 14.25,18.06 14.25,18.14 arc(14.3,18.25) 14.41,18.3 14.53,18.3 arc(14.65,18.35) 14.69,18.46 14.69,29.56 v1(15.08,29.95) 15.5,30.37 15.5,34.11 15.72,34.33 16.04,34.33 16.26,34.55 16.26,34.87 17.32,35.93 17.64,35.93 17.86,36.15 27.76,36.15 v1(29.89,38.27) 33.16,41.55 33.16,49.93 34.37,51.14 34.58,51.14 34.58,52.14 v1(35,51.72) 35.38,51.34 39.96,51.34 40.14,51.52 46.37,51.52 arc(46.48,51.57) 46.53,51.68 46.53,51.75 arc(46.57,51.86) 46.69,51.91 46.77,51.91 arc(46.88,51.86) 46.93,51.75 46.93,50.99 arc(46.97,50.88) 47.09,50.83 47.17,50.83 arc(47.28,50.88) 47.33,50.99 47.33,51.36 arc(47.37,51.47) 47.49,51.52 59.83,51.52 v1(60.25,51.1)
